# Altium PCB PA_8CH_CTRL.PcbDoc (part 4 of 10) (continued)
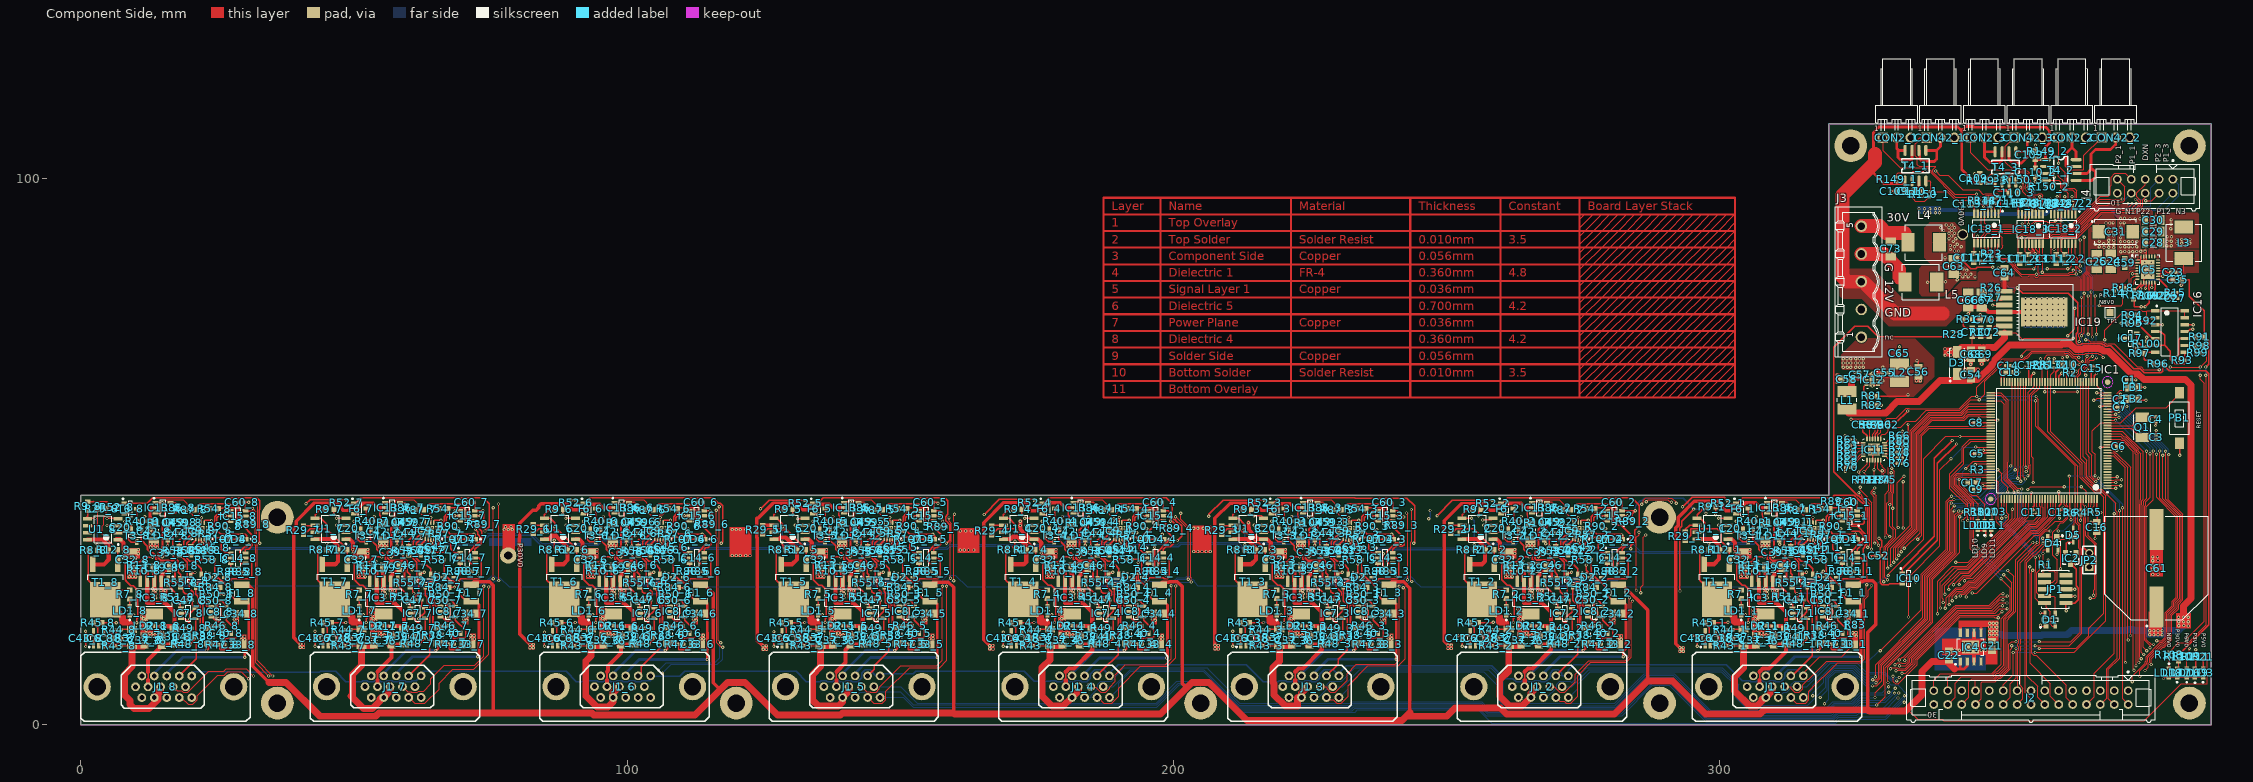
[diagram p0: Component Side view]
## Nets (pads, with @x,y where several pads share a name; then routed paths per layer and width w, separated by ;. In a path a pad name is that pad's centre, name@x,y a point inside that pad or via, vN(x,y) a via of type N, cw(c..) or ccw(c..) an arc to the next point about the centre after c; other vN are vias at no path point) (continued)
  Component Side w0.762: v2(344.975,65.025) 345,65 C54.2@346.025,65 347.25,65 v2(347.3,65.05) ; v2(344.975,66.925) C68.1@346.025,66.925 346.025,66.1 v2(345.95,66.025) ; C66.1@345.8,76.5 347.38,76.5 347.88,76 348.75,76 349.18,75.57 IC19.4@352.125,75.57 IC19.8@359.43,75.57 ; IC4.3@346.583,11.599 346.583,13.614 v1(345.948,14.249) 346.583,14.884 IC4.6@346.583,16.899 ; v2(348,66.05) C69.1@348,66.95 349,66.95 v2(349.025,66.925)
  Signal Layer 1 w0.254: v1(346.532,42.52) v1@346.583,42.52
  Solder Side w0.254: v1@17.678,22.174 v1(17.678,22.225) ; v1@59.678,22.203 v1(59.678,22.254) ; v1@101.678,22.203 v1(101.678,22.254) ; v1@143.678,22.203 v1(143.678,22.254) ; v1@185.678,22.203 v1(185.678,22.254) ; v1@227.678,22.203 v1(227.678,22.254) ; v1@269.678,22.203 v1(269.678,22.254) ; v1@312.678,22.203 v1(312.678,22.254)
  other v1: 344.957,13.411 345.999,13.437 346.989,13.437 347.878,13.614 348.666,13.64 343.865,13.665 343.052,13.716 344.983,14.199 346.939,14.224 345.923,14.961 344.957,14.986 346.888,15.011 29.388,15.57 30.023,15.57 281.381,15.672 282.016,15.672 71.399,15.723 72.034,15.723 197.409,15.723 198.044,15.723 155.372,15.748 156.007,15.748 239.37,15.748 240.005,15.748 113.386,15.773 114.021,15.773 29.388,16.154 12.7,16.18 13.894,16.18 29.972,16.18 13.31,16.205 54.7,16.209 55.894,16.209 96.7,16.209 97.894,16.209 138.7,16.209 139.894,16.209 180.7,16.209 181.894,16.209 222.7,16.209 223.894,16.209 264.7,16.209 265.894,16.209 307.7,16.209 308.894,16.209 55.31,16.234 97.31,16.234 139.31,16.234 181.31,16.234 223.31,16.234 265.31,16.234 308.31,16.234 281.381,16.256 324.383,16.256 325.018,16.256 281.965,16.281 71.399,16.307 197.409,16.307 71.984,16.332 155.372,16.332 197.993,16.332 239.37,16.332 113.386,16.358 155.956,16.358 239.954,16.358 113.97,16.383 13.868,16.764 12.675,16.789 13.284,16.789 55.868,16.793 97.868,16.793 139.868,16.793 181.868,16.793 223.868,16.793 265.868,16.793 308.868,16.793 54.675,16.818 55.284,16.818 96.675,16.818 97.284,16.818 138.675,16.818 139.284,16.818 180.675,16.818 181.284,16.818 222.675,16.818 223.284,16.818 264.675,16.818 265.284,16.818 307.675,16.818 308.284,16.818 324.383,16.84 324.968,16.866 14.376,17.12 14.986,17.12 56.376,17.149 56.986,17.149 98.376,17.149 98.986,17.149 140.376,17.149 140.986,17.149 182.376,17.149 182.986,17.149 224.376,17.149 224.986,17.149 266.376,17.149 266.986,17.149 309.376,17.149 309.986,17.149 11.989,17.323 53.989,17.352 95.989,17.352 137.989,17.352 179.989,17.352 221.989,17.352 263.989,17.352 306.989,17.352 11.252,17.551 53.252,17.58 95.252,17.58 137.252,17.58 179.252,17.58 221.252,17.58 263.252,17.58 306.252,17.58 28.219,18.694 70.219,18.723 112.219,18.723 154.219,18.723 196.219,18.723 238.219,18.723 280.219,18.723 323.219,18.723 11.176,18.948 53.176,18.977 95.176,18.977 137.176,18.977 179.176,18.977 221.176,18.977 263.176,18.977 306.176,18.977 11.989,18.999 53.989,19.028 95.989,19.028 137.989,19.028 179.989,19.028 221.989,19.028 263.989,19.028 306.989,19.028 28.677,19.101 70.677,19.13 112.677,19.13 154.677,19.13 196.677,19.13 238.677,19.13 280.677,19.13 28.118,19.355 70.118,19.384 112.118,19.384 154.118,19.384 196.118,19.384 238.118,19.384 280.118,19.384 323.118,19.384 11.557,19.431 53.557,19.46 95.557,19.46 137.557,19.46 179.557,19.46 221.557,19.46 263.557,19.46 306.557,19.46 11.074,19.812 53.074,19.841 95.074,19.841 137.074,19.841 179.074,19.841 221.074,19.841 263.074,19.841 306.074,19.841 11.582,20.193 53.582,20.222 95.582,20.222 137.582,20.222 179.582,20.222 221.582,20.222 263.582,20.222 306.582,20.222 11.1,20.549 53.1,20.578 95.1,20.578 137.1,20.578 179.1,20.578 221.1,20.578 263.1,20.578 306.1,20.578 11.582,20.904 53.582,20.933 95.582,20.933 137.582,20.933 179.582,20.933 221.582,20.933 263.582,20.933 306.582,20.933 11.024,21.184 53.024,21.213 95.024,21.213 137.024,21.213 179.024,21.213 221.024,21.213 263.024,21.213 306.024,21.213 13.716,23.241 55.716,23.27 97.716,23.27 139.716,23.27 181.716,23.27 223.716,23.27 265.716,23.27 308.716,23.27 13.259,23.622 55.259,23.651 97.259,23.651 139.259,23.651 181.259,23.651 223.259,23.651 265.259,23.651 308.259,23.651 13.767,23.952 55.767,23.981 97.767,23.981 139.767,23.981 181.767,23.981 223.767,23.981 265.767,23.981 308.767,23.981 13.233,24.282 55.233,24.311 97.233,24.311 139.233,24.311 181.233,24.311 223.233,24.311 265.233,24.311 308.233,24.311 13.716,24.638 55.716,24.667 97.716,24.667 139.716,24.667 181.716,24.667 223.716,24.667 265.716,24.667 308.716,24.667 13.183,24.943 55.183,24.972 97.183,24.972 139.183,24.972 181.183,24.972 223.183,24.972 265.183,24.972 308.183,24.972 10.058,27.102 8.865,27.127 9.474,27.127 52.058,27.131 94.058,27.131 136.058,27.131 178.058,27.131 220.058,27.131 262.058,27.131 305.058,27.131 50.865,27.156 51.474,27.156 92.865,27.156 93.474,27.156 134.865,27.156 135.474,27.156 176.865,27.156 177.474,27.156 218.865,27.156 219.474,27.156 260.865,27.156 261.474,27.156 303.865,27.156 304.474,27.156 379.271,27.52 380.261,27.545 9.449,27.762 10.058,27.762 8.839,27.788 51.449,27.791 52.058,27.791 93.449,27.791 94.058,27.791 135.449,27.791 136.058,27.791 177.449,27.791 178.058,27.791 219.449,27.791 220.058,27.791 261.449,27.791 262.058,27.791 304.449,27.791 305.058,27.791 50.839,27.817 92.839,27.817 134.839,27.817 176.839,27.817 218.839,27.817 260.839,27.817 303.839,27.817 379.271,28.485 380.261,28.51 379.271,29.222 380.261,29.247 379.271,30.06 380.261,30.085 379.271,30.746 380.16,30.746 13.36,32.487 13.995,32.487 12.776,32.512 55.36,32.516 55.995,32.516 97.36,32.516 97.995,32.516 139.36,32.516 139.995,32.516 181.36,32.516 181.995,32.516 223.36,32.516 223.995,32.516 265.36,32.516 265.995,32.516 308.36,32.516 308.995,32.516 54.776,32.541 96.776,32.541 138.776,32.541 180.776,32.541 222.776,32.541 264.776,32.541 307.776,32.541 13.97,33.096 12.751,33.122 13.36,33.122 55.97,33.125 97.97,33.125 139.97,33.125 181.97,33.125 223.97,33.125 265.97,33.125 308.97,33.125 54.751,33.151 55.36,33.151 96.751,33.151 97.36,33.151 138.751,33.151 139.36,33.151 180.751,33.151 181.36,33.151 222.751,33.151 223.36,33.151 264.751,33.151 265.36,33.151 307.751,33.151 308.36,33.151 327.889,50.063 328.625,50.063 327.889,50.724 328.625,50.724 325.425,55.372 327.939,62.027 321.539,62.713 327.939,62.814 336.042,62.967 336.728,62.967 321.539,63.373 327.939,63.576 321.539,63.983 327.965,64.389 375.586,82.591 370,84.75 369.008,84.801 370.963,84.801 372.259,84.801 372.157,87.366 370.354,87.417 371.243,87.442 369.5,87.5 381.86,87.696 382.673,87.696 368.75,88 372.132,88.001 370.328,88.052 371.217,88.077 383.74,88.153 384.578,88.153 385.365,88.153 386.05,88.15 369.5,88.5 381.885,88.534 382.698,88.534 372.132,88.661 371.217,88.738 383.74,88.865 384.578,88.865 385.365,88.865 386.102,88.865 381.911,89.373 382.724,89.373 372.106,89.55 371.217,89.601 372.081,90.185 371.192,90.236 382.597,90.795 372.081,90.846 371.192,90.897 382.622,91.633 370.735,91.862 371.395,91.862 372.03,91.887 382.647,92.471
  other v2: 21.344,35.031 22.344,35.031 63.344,35.06 64.344,35.06 105.344,35.06 106.344,35.06 147.344,35.06 148.344,35.06 189.344,35.06 190.344,35.06 231.344,35.06 232.344,35.06 316.344,35.06 317.297,35.077 273.38,35.103 274.345,35.128 21.844,35.531 63.844,35.56 105.844,35.56 147.844,35.56 189.844,35.56 231.844,35.56 273.844,35.56 316.844,35.56 21.344,36.031 22.344,36.031 63.344,36.06 64.344,36.06 105.344,36.06 106.344,36.06 147.344,36.06 148.344,36.06 189.344,36.06 190.344,36.06 231.344,36.06 232.344,36.06 273.344,36.06 274.344,36.06 316.344,36.06 317.344,36.06 356,73 357,73 358,73 359,73 360,73 361,73 362,73 363,73 356,74 357,74 358,74 359,74 360,74 361,74 362,74 363,74 356,75 357,75 358,75 359,75 360,75 361,75 362,75 363,75 356,76 357,76 358,76 359,76 360,76 361,76 362,76 363,76 356,77 357,77 358,77 359,77 360,77 361,77 362,77 363,77 356,78 357,78 358,78 359,78 360,78 361,78 362,78 363,78 343.5,81.5 344.5,82 345.5,82 346.75,82 344,82.5 345,82.5 346,82.5 345.25,83.25 344.5,83.5
I2C0_SCL: IC9_8.3 IC11.2 IC15_8.5 J1_8.9 R63.1 | length 371.2
  Component Side w0.152: J1_8.9@16.895,6.971 17.641,6.225 18.472,6.225 18.755,5.942 19.607,5.942 23.444,9.779 26.162,9.779 26.619,10.236 30.328,10.236 v1(31.623,8.941) ; v1(31.445,39.649) 32.06,39.034 32.06,35.917 31.917,35.773 31.917,32.905 32.029,32.792 32.029,11.328 v1(34.417,8.941) ; R63.1@323.961,51.153 324.609,51.153 v1(324.714,51.257) 324.818,51.153 IC11.2@326.291,51.153
  Component Side w0.254: IC9_8.3@23.319,35.781 23.843,35.781 24.938,36.876 24.938,37.924 25.287,38.273 v1(26.492,38.273) 27.405,38.273 IC15_8.5@27.448,38.23
  Signal Layer 1 w0.152: v1(26.492,38.273) 27.094,38.875 30.645,38.875 33.186,41.417 66.54,41.417 67.384,40.572 67.822,40.572 68.667,41.417 88.746,41.417 89.556,40.607 89.994,40.607 90.804,41.417 150.54,41.417 151.384,40.572 151.822,40.572 152.667,41.417 192.54,41.417 193.384,40.572 193.822,40.572 194.667,41.417 234.54,41.417 235.384,40.572 235.822,40.572 236.667,41.417 320.242,41.417 321.158,42.333 321.158,48.477 323.938,51.257 v1(324.714,51.257) ; v1(31.623,8.941) v1(34.417,8.941)
I2C0_SDA: IC9_8.4 IC11.1 IC15_8.4 J1_8.4 R61.1 | length 371
  Component Side w0.152: J1_8.4@17.544,4.991 J1_8.4@17.79,5.237 ; J1_8.4@18.036,4.991 18.434,4.991 19.675,3.75 20.536,3.75 21.351,4.565 21.351,5.374 25.082,9.106 26.273,9.106 26.867,9.7 29.416,9.7 30.658,8.458 v1(30.709,8.458) ; v1(31.674,40.996) 32.383,40.286 32.383,39.524 32.365,39.506 32.365,35.791 32.221,35.647 32.221,33.031 32.334,32.918 32.334,11.786 v1(35.179,8.941) ; R61.1@323.961,52.153 324.618,52.153 v1(324.714,52.248) 325.309,51.653 IC11.1@326.291,51.653
  Component Side w0.254: IC9_8.4@23.319,36.281 23.638,36.281 24.532,37.174 24.532,38.092 25.119,38.679 26.037,38.679 v1(26.537,39.18) IC15_8.4@27.448,39.18
  Signal Layer 1 w0.152: v1(26.537,39.18) 29.928,39.18 31.674,40.926 v1(31.674,40.996) 32.4,41.721 320.115,41.721 320.751,42.357 320.751,48.501 324.498,52.248 v1(324.714,52.248) ; v1(30.709,8.458) 30.755,8.412 34.65,8.412 v1(35.179,8.941)
I2C1_SCL: IC9_7.3 IC11.4 IC15_7.5 J1_7.9 R65.1 | length 328.9
  Component Side w0.152: J1_7.9@58.895,7 59.846,6.049 60.462,6.049 60.539,5.971 61.607,5.971 61.836,6.201 62.751,6.201 64.112,7.562 64.112,8.458 66.55,10.897 72.136,10.897 73.762,12.522 v1(73.762,25.4) ; v1(75.489,26.746) v1(75.489,39.751) ; v1(285.75,40.411) 286.06,40.721 286.06,41.088 286.505,41.533 290.622,41.533 290.626,41.529 291.262,41.529 292.075,40.716 v1(292.075,40.564) ; R65.1@323.961,49.153 324.59,49.153 v1(324.815,49.378) 325.59,50.153 IC11.4@326.291,50.153
  Component Side w0.254: IC9_7.3@65.319,35.81 65.843,35.81 66.938,36.905 66.938,37.953 67.287,38.302 v1(68.478,38.302) 69.405,38.302 IC15_7.5@69.448,38.259
  Signal Layer 1 w0.152: v1(68.478,38.302) 69.081,38.904 69.623,38.904 71.526,40.807 73.645,40.807 74.651,39.802 77.292,39.802 78.1,40.61 88.691,40.61 89.304,39.997 90.246,39.997 90.859,40.61 97.809,40.61 98.384,40.035 99.177,40.035 99.949,40.807 111.151,40.807 111.999,39.959 112.689,39.959 113.537,40.807 139.751,40.807 140.549,40.01 141.239,40.01 142.036,40.807 150.287,40.807 151.132,39.963 154.615,39.963 154.688,40.035 157.14,40.035 157.359,40.254 182.316,40.254 182.56,40.01 183.251,40.01 184.048,40.807 192.287,40.807 193.132,39.963 196.615,39.963 196.688,40.035 198.974,40.035 199.218,40.28 224.277,40.28 224.546,40.01 225.237,40.01 226.034,40.807 234.287,40.807 235.132,39.963 238.615,39.963 239.368,40.715 265.853,40.715 266.558,40.01 267.248,40.01 268.046,40.807 279.131,40.807 279.95,39.988 280.641,39.988 281.217,40.564 285.598,40.564 v1(285.75,40.411) ; v1(292.075,40.564) 292.298,40.788 308.833,40.788 309.611,40.01 310.301,40.01 311.079,40.788 320.475,40.788 321.767,42.08 321.767,48.224 323.099,49.555 324.79,49.555 324.815,49.53 v1(324.815,49.378)
  Solder Side w0.152: v1(73.762,25.4) 75.006,26.645 75.489,26.645 v1(75.489,26.746)
I2C1_SDA: IC9_7.4 IC11.3 IC15_7.4 J1_7.4 R64.1 | length 329.2
  Component Side w0.152: J1_7.4@60.036,5.02 61.106,3.95 63,3.95 65.586,6.536 65.586,7.639 68.123,10.175 71.948,10.175 74.701,12.929 v1(74.701,25.248) ; v1(76.479,40.437) 76.505,40.411 v1(76.505,26.416) ; v1(286.588,40.869) 286.948,41.229 290.495,41.229 290.982,40.742 v1(291.186,40.742) ; R64.1@323.961,50.153 324.625,50.153 v1(324.714,50.241) 325.125,50.653 IC11.3@326.291,50.653
  Component Side w0.254: IC9_7.4@65.319,36.31 65.638,36.31 66.532,37.203 66.532,38.121 67.119,38.708 68.037,38.708 v1(68.537,39.209) IC15_7.4@69.448,39.209
  Signal Layer 1 w0.152: v1(68.537,39.209) 69.497,39.209 71.399,41.112 75.296,41.112 75.971,40.437 v1(76.479,40.437) 77.267,40.437 77.942,41.112 88.62,41.112 89.43,40.302 90.12,40.302 90.93,41.112 111.277,41.112 112.125,40.264 112.563,40.264 113.411,41.112 139.878,41.112 140.675,40.315 141.113,40.315 141.91,41.112 150.414,41.112 151.258,40.267 154.489,40.267 155.314,41.092 181.909,41.092 182.686,40.315 183.124,40.315 183.922,41.112 192.414,41.112 193.258,40.267 196.489,40.267 197.319,41.097 223.89,41.097 224.673,40.315 225.111,40.315 225.908,41.112 234.414,41.112 235.258,40.267 238.489,40.267 239.242,41.02 265.979,41.02 266.684,40.315 267.122,40.315 267.919,41.112 279.258,41.112 280.077,40.293 280.515,40.293 281.162,40.94 286.517,40.94 v1(286.588,40.869) ; v1(291.186,40.742) 291.536,41.092 308.959,41.092 309.737,40.315 310.175,40.315 310.953,41.092 320.349,41.092 321.462,42.206 321.462,48.35 323.353,50.241 v1(324.714,50.241)
  Solder Side w0.152: v1(74.701,25.248) 74.738,25.248 75.906,26.416 v1(76.505,26.416)
I2C2_SCL: IC9_6.3 IC11.6 IC15_6.5 J1_6.9 R70.1 | length 292.2
  Component Side w0.152: v1(116.332,39.294) 116.332,34.392 116.561,34.163 116.561,33.739 116.417,33.595 116.417,15.017 117.235,14.199 v1(117.5,14.199) ; R70.1@323.961,47.153 324.052,47.244 v1(324.739,47.244) 324.739,47.665 325.318,48.244 325.318,48.484 325.987,49.153 IC11.6@326.291,49.153
  Component Side w0.254: IC9_6.3@107.319,35.81 107.843,35.81 108.938,36.905 108.938,37.953 109.287,38.302 v1(110.465,38.302) 111.405,38.302 IC15_6.5@111.448,38.259
  Signal Layer 1 w0.152: J1_6.9@100.895,7 101.846,7.951 102.678,7.951 102.755,8.029 103.607,8.029 103.684,7.951 104.979,7.951 v1(106.477,9.449) ; v1(110.465,38.302) 111.067,38.904 112.497,38.904 113.79,40.197 115.327,40.197 116.256,39.268 118.085,39.268 119.014,40.197 139.06,40.197 140.615,38.642 141.306,38.642 141.794,39.13 141.794,39.703 142.289,40.197 150.035,40.197 150.879,39.353 154.868,39.353 154.941,39.426 157.393,39.426 157.612,39.645 181.613,39.645 182.615,38.642 183.306,38.642 184.861,40.197 192.035,40.197 192.879,39.353 196.868,39.353 196.941,39.426 199.226,39.426 199.471,39.67 223.587,39.67 224.615,38.642 225.306,38.642 225.794,39.13 225.794,39.705 226.287,40.197 234.035,40.197 234.879,39.353 238.868,39.353 239.621,40.106 265.6,40.106 266.305,39.4 267.501,39.4 268.298,40.197 278.879,40.197 279.698,39.378 280.893,39.378 281.261,39.746 284.775,39.746 285.467,39.055 285.467,36.536 287.536,34.467 292.25,34.467 297.962,40.178 308.079,40.178 309.141,39.116 310.78,39.116 311.842,40.178 321.555,40.178 322.377,41 322.377,46.812 322.809,47.244 v1(324.739,47.244) ; v1(116.332,39.294) 116.51,39.294 v1@116.535,39.319
  Solder Side w0.152: v1(106.477,9.449) 108.102,11.074 116.561,11.074 117.5,12.014 v1(117.5,14.199)
I2C2_SDA: IC9_6.4 IC11.5 IC15_6.4 J1_6.4 R68.1 | length 295.6
  Component Side w0.152: v1(116.865,39.954) 116.865,33.613 116.721,33.469 116.721,15.46 v1(117.17,15.011) ; R68.1@323.961,48.153 324.479,48.153 v1(324.79,48.463) 324.79,48.487 325.956,49.653 IC11.5@326.291,49.653
  Component Side w0.254: IC9_6.4@107.319,36.31 107.638,36.31 108.532,37.203 108.532,38.121 109.119,38.708 110.037,38.708 110.537,39.209 v1(110.558,39.209) IC15_6.4@111.448,39.209
  Signal Layer 1 w0.152: J1_6.4@102.036,5.02 101.085,5.971 100.469,5.971 99.866,6.574 99.866,7.426 100.469,8.029 100.469,8.128 101.007,8.666 101.007,9.67 101.346,10.009 105.741,10.009 v2(105.75,10) ; v1(110.558,39.209) 112.37,39.209 113.664,40.502 116.089,40.502 v1@116.662,39.929 ; v1@116.865,39.929 117.754,39.929 118.328,40.502 139.186,40.502 140.742,38.947 141.18,38.947 141.489,39.256 141.489,39.829 142.162,40.502 150.161,40.502 151.005,39.658 154.742,39.658 154.814,39.73 157.266,39.73 157.485,39.949 181.739,39.949 182.742,38.947 183.18,38.947 184.735,40.502 192.161,40.502 193.005,39.658 196.742,39.658 196.814,39.73 199.1,39.73 199.345,39.975 223.713,39.975 224.742,38.947 225.18,38.947 225.489,39.256 225.489,39.831 226.16,40.502 234.161,40.502 235.005,39.658 238.742,39.658 239.494,40.41 265.726,40.41 266.432,39.705 267.375,39.705 268.172,40.502 279.005,40.502 279.824,39.683 280.767,39.683 281.135,40.051 284.901,40.051 285.771,39.181 285.771,36.663 287.663,34.771 292.124,34.771 297.836,40.483 308.205,40.483 309.217,39.472 310.705,39.472 311.716,40.483 320.601,40.483 322.072,41.954 322.072,47.549 322.986,48.463 v1(324.79,48.463)
  Solder Side w0.152: v2@105.792,9.958 107.213,11.379 116.103,11.379 116.972,12.248 116.972,14.418 117.17,14.616 v1(117.17,15.011)
I2C3_SCL: IC9_5.3 IC11.8 IC15_5.5 J1_5.9 R72.1 | length 256.6
  Component Side w0.152: J1_5.9@142.895,7 143.846,6.049 144.462,6.049 144.539,5.971 145.607,5.971 146.21,6.574 146.21,6.905 150.1,10.795 156.718,10.795 157.734,11.811 v1(157.734,25.375) ; v1(158.941,37.884) 158.941,37.278 159.395,36.823 159.395,33.642 159.207,33.454 v1(159.207,26.848) ; v1(325.749,43.5) 325.749,42.998 327,41.748 327,41.504 327.812,40.691 v1(327.812,32.156) ; R72.1@327.182,45.365 326.441,46.106 v1(326.441,46.38) 327.491,47.431 IC11.8@327.491,48.453
  Component Side w0.254: IC9_5.3@149.319,35.81 149.843,35.81 150.938,36.905 150.938,37.953 151.287,38.302 151.937,38.302 152.008,38.232 v1@152.324,38.232 ; 152.558,38.302 153.405,38.302 IC15_5.5@153.448,38.259
  Signal Layer 1 w0.152: v1@152.324,38.232 152.532,38.232 153.043,38.743 155.12,38.743 155.193,38.816 157.45,38.816 158.445,37.821 161.874,37.821 163.089,39.035 180.465,39.035 182.822,36.678 187.264,36.678 187.618,37.032 188.521,37.032 188.943,36.61 192.297,36.61 192.314,36.627 192.869,36.627 193.33,36.167 194.652,36.167 194.934,36.448 195.372,36.448 195.653,36.167 196.845,36.167 197.018,36.34 203.342,36.34 203.531,36.529 206.719,36.529 206.908,36.34 213.232,36.34 213.559,36.012 214.744,36.012 214.757,36 216,36 216.737,36.737 218.503,36.737 219.091,37.325 223.384,37.325 224.9,35.809 227.903,35.809 229.148,34.565 230.343,34.565 230.795,34.112 231.714,34.112 231.76,34.158 232.45,34.158 232.454,34.155 232.706,34.155 233.942,35.391 236.862,35.391 237.031,35.221 237.469,35.221 237.955,35.708 263.862,35.708 264.345,35.225 269.662,35.225 269.827,35.06 271.783,35.06 273.614,33.229 273.614,33.182 273.923,32.872 276.357,32.872 278.265,34.781 281.353,34.781 281.879,35.306 282.339,35.306 283.197,34.448 283.197,34.4 284.399,33.197 284.481,33.197 284.833,32.845 284.833,32.79 285.619,32.004 293.726,32.004 295.579,33.857 296.128,33.857 296.147,33.838 299.103,33.838 299.122,33.857 310.959,33.857 311.599,33.217 313.332,33.217 314.931,31.618 327.274,31.618 v1(327.812,32.156) ; v1(325.749,43.5) 326.441,44.191 v1(326.441,46.38)
  Solder Side w0.152: v1(157.734,25.375) v1(159.207,26.848)
  other v1: 152.324,38.049
I2C3_SDA: IC9_5.4 IC11.7 IC15_5.4 J1_5.4 R71.1 | length 257.4
  Component Side w0.152: J1_5.4@143.544,5.02 J1_5.4@144.036,5.02 144.13,5.02 145.159,3.991 146.748,3.991 147.351,4.594 147.351,6.127 151.714,10.49 157.201,10.49 158.496,11.786 v1(158.496,25.375) ; v1(159.817,26.391) 159.817,38.405 v1(159.944,38.532) ; v1(325.5,42.5) 326,42 326,41.868 327.485,40.383 327.485,32.896 v1(327.127,32.537) ; R71.1@326.182,45.365 325.476,46.071 v1(325.476,46.279) 326.991,47.794 IC11.7@326.991,48.453
  Component Side w0.254: IC9_5.4@149.319,36.31 149.638,36.31 150.532,37.203 150.532,38.121 151.119,38.708 v1@152.037,38.708 ; v1(152.248,38.811) 152.248,38.913 152.244,38.916 152.537,39.209 IC15_5.4@153.448,39.209
  Signal Layer 1 w0.152: v1(152.248,38.811) 152.485,39.048 154.994,39.048 155.067,39.121 158.974,39.121 159.537,38.557 161.341,38.557 162.123,39.34 180.624,39.34 182.982,36.982 186.258,36.982 186.766,37.49 188.493,37.49 189.069,36.915 192.171,36.915 192.188,36.932 192.996,36.932 193.283,36.644 194,36.644 194.173,36.471 194.526,36.471 194.807,36.753 195.498,36.753 195.779,36.471 196.719,36.471 196.892,36.644 203.216,36.644 203.405,36.833 206.845,36.833 207.034,36.644 213.358,36.644 213.531,36.471 213.997,36.471 214.595,37.07 216.776,37.07 217.5,37.794 218.245,37.794 218.409,37.63 223.596,37.63 223.612,37.614 223.612,37.529 225.026,36.114 228.029,36.114 228.169,35.975 229.364,35.975 230.922,34.417 231.588,34.417 231.634,34.463 232.577,34.463 232.58,34.46 233.495,35.375 233.495,35.535 234.101,36.14 236.626,36.14 236.876,36.39 237.429,36.39 237.807,36.012 257.297,36.012 257.48,36.195 263.806,36.195 264.471,35.53 269.788,35.53 269.953,35.365 271.909,35.365 272.382,34.892 273.136,34.138 274.741,34.138 275.066,34.463 275.33,34.463 275.953,35.086 281.227,35.086 281.752,35.611 282.465,35.611 283.502,34.575 283.502,34.526 284.525,33.502 284.607,33.502 285.138,32.971 285.138,32.939 285.743,32.333 293.47,32.333 295.298,34.162 296.254,34.162 296.274,34.143 298.976,34.143 298.996,34.162 311.085,34.162 311.725,33.522 313.459,33.522 315.058,31.923 326.512,31.923 v1(327.127,32.537) ; v1(325.476,46.279) 325.547,46.207 325.547,44.129 325.221,43.803 325.221,42.779 v1(325.5,42.5)
  Solder Side w0.152: v1(158.496,25.375) 159.537,26.416 159.563,26.391 v1(159.817,26.391)